# KiCad board pcb.kicad_pcb (continued)
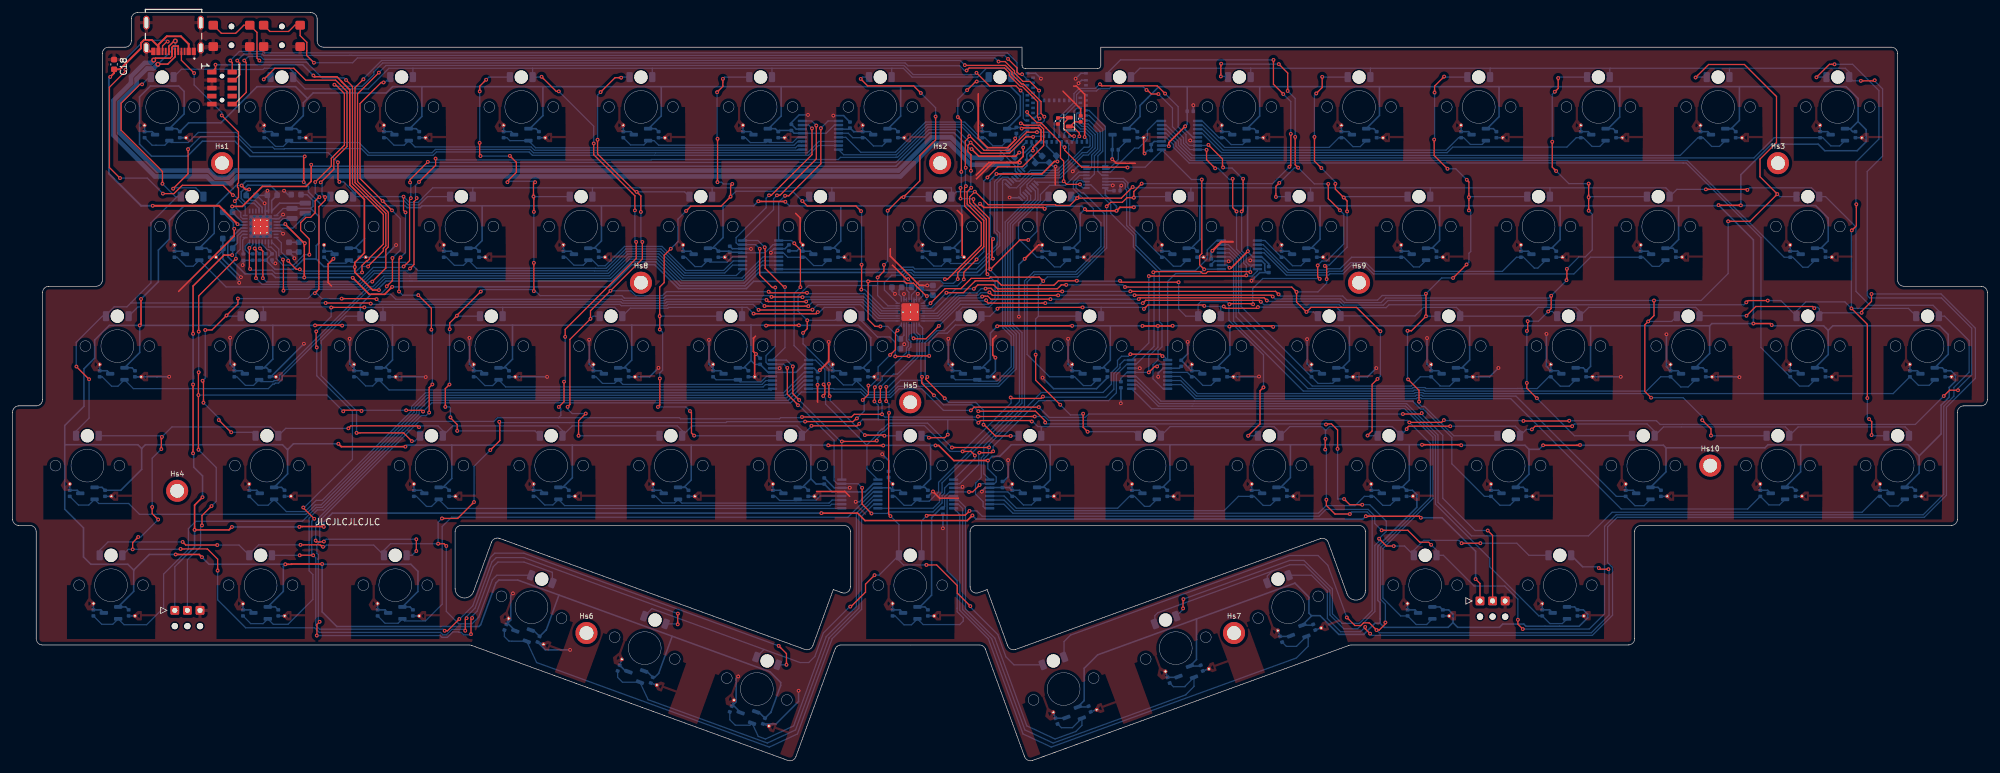
[diagram p0: board, top side]
## Routing (per net, layer and track width the routed paths; a pad name or vN(x,y) marks a point on that pad's centre or on a via; arc(x,y) is an arc through that point) (continued)
/CS13: length 165.3
  Top w0.2: v1(120.47,73.67) 120.48,73.66 125.37,73.66 v1(125.41,73.62) ; v1(82.75,79.08) v1(82.75,74.58) ; v1(74.15,106.32) 74.15,107.15 v1(75.18,108.18) ; v1(78.55,91.89) 78.55,92.05 79.97,93.47 79.97,95.05 v1(78.94,96.08) ; v1(70.58,52.37) 70.58,53.39 69.5,54.46 v1(69.5,54.53) ; v1(69.39,68.52) 69.39,69.53 v1(70.53,70.67) 70.53,70.72 v1(74.32,74.51) ; v1(82.95,91.89) 82.79,91.89 82.69,91.79 v1(82.69,89.62) 82.75,89.56 v1(82.75,87.18) ; v1(69.35,59.75) 68.69,59.09 v1(68.69,56.18) ; v1(74.14,98.14) 74.14,96.19 v1(74.28,96.04)
  Bottom w0.2: v1(120.47,73.67) 120.27,73.86 103.73,73.86 103.33,73.46 97.12,73.46 96.72,73.86 83.73,73.86 83.02,74.58 v1(82.75,74.58) 82.5,74.83 74.64,74.83 v1(74.32,74.51) ; LEDDR1.20 137.78,71.05 135.17,73.66 125.45,73.66 v1(125.41,73.62) ; v1(70.53,70.67) 70.6,70.6 D33.1 ; v1(82.75,79.08) v1(82.75,87.18) ; v1(75.18,108.18) 75.6,108.6 D4.1 ; v1(82.95,91.89) 82.79,92.05 78.71,92.05 v1(78.55,91.89) ; v1(74.14,98.14) 74.15,98.16 v1(74.15,106.32) ; D19.1 82.71,89.6 v1(82.69,89.62) ; v1(69.39,68.52) 69.36,68.49 69.36,59.75 v1(69.35,59.75) ; D48.1 82.93,52.37 v1(70.58,52.37) ; v1(68.69,56.18) 69.37,56.18 69.5,56.04 v1(69.5,54.53) ; v1(78.94,96.08) 78.91,96.04 v1(74.28,96.04)
/CS14: length 141.9
  Top w0.2: v1(99.97,82.4) 99.97,79.7 v1(94.91,74.64) 91.74,71.47 v1(91.74,70.18) 88.47,66.91 88.47,56.55 v1(88.11,56.19) ; v1(120.02,74.49) 120.19,74.32 v1(126.11,74.32) ; v1(89.85,51.6) 89.85,53.99 v1(90.99,55.13) ; v1(96.6,108.5) 95.63,108.5 v1(93.34,106.21) ; v1(92.86,98.65) 92.86,96.39 98.89,90.36 v1(99.08,90.36) 99.74,89.69 v1(99.74,87.17)
  Bottom w0.2: v1(90.99,55.13) 88.83,55.13 88.11,55.85 v1(88.11,56.19) ; v1(126.11,74.32) 126.25,74.18 135.24,74.18 137.97,71.45 LEDDR1.21 ; D20.1 106.69,90.36 v1(99.08,90.36) ; v1(93.34,106.21) 92.86,105.73 v1(92.86,98.65) ; v1(120.02,74.49) 103.79,74.49 103.17,73.86 98.9,73.86 98.13,74.64 v1(94.91,74.64) ; D5.1 96.7,108.6 v1(96.6,108.5) ; v1(99.74,87.17) 99.74,82.63 v1(99.97,82.4) ; D34.1 92.16,70.6 v1(91.74,70.18) ; D49.1 v1(89.85,51.6)
/CS15: length 143
  Top w0.2: v1(134.78,78.79) 134.78,74.87 v1(134.73,74.83) ; v1(107.53,55.53) 107.77,55.28 107.77,52.04 v1(108.19,51.62) ; v1(114.25,91.62) 113.98,91.35 v1(113.98,89.6) 112.47,88.09 107.68,88.09 v1(106.92,87.32) ; v1(111.91,98.8) 111.91,92.54 111.9,92.53 v1(111.9,91.89) ; v1(102.75,60.7) 102.75,56.48 v1(102.44,56.18) ; v1(112.76,108.32) 112.76,107.12 v1(111.83,106.19) ; v1(104.49,81.32) 103.44,80.27 103.44,75.94 102.72,75.22 v1(102.72,70.61) 102.74,70.6 v1(102.74,68.48) ; v1(134.69,87.3) 133.86,88.13 126.14,88.13 v1(125.36,88.91)
  Bottom w0.2: D35.1 102.74,70.6 v1(102.72,70.61) ; v1(102.75,60.7) 102.74,60.71 102.74,61.57 103.19,62.02 103.19,68.03 v1(102.74,68.48) ; LEDDR1.22 138.25,71.85 135.27,74.83 v1(134.73,74.83) ; D50.1 108.21,51.6 v1(108.19,51.62) ; v1(134.78,78.79) 134.78,87.21 v1(134.69,87.3) ; v1(104.49,81.32) 105.63,82.45 105.63,86.03 v1(106.92,87.32) ; v1(113.98,89.6) 114.84,90.46 123.81,90.46 v1(125.36,88.91) 125.76,88.91 D21.1 ; v1(107.53,55.53) 106.88,56.18 v1(102.44,56.18) ; v1(114.25,91.62) 112.81,91.62 112.54,91.89 v1(111.9,91.89) ; D6.1 113.04,108.6 v1(112.76,108.32) ; v1(111.83,106.19) 111.83,98.88 v1(111.91,98.8)
/CS16: length 108.2
  Top w0.2: v1(137.32,76.75) 138.33,77.76 v1(138.33,78.76) ; v1(138.4,51.6) 138.3,51.7 v1(135.29,51.7) ; v1(144.18,106.07) 143.05,107.19 135.75,107.19 v1(134.64,108.31) ; v1(146.53,102.34) 146.53,98.62 144.03,96.12 144.03,92.12 v1(141.44,89.53) 141.08,89.53 v1(138.91,87.36) ; v1(129.71,57.9) 129.59,58.02 v1(129.59,59.85) ; v1(126.15,69.95) 126.15,68.61 v1(125.48,67.94)
  Bottom w0.2: v1(146.53,102.34) 146.53,103.72 v1(144.18,106.07) ; 137.32,75.47 v1(137.32,76.75) ; 137.32,75.47 137.31,75.48 126.35,75.48 124.69,73.82 124.69,71.41 v1(126.15,69.95) 130.55,69.95 D36.1 ; 137.32,75.47 137.32,73.88 138.95,72.25 LEDDR1.23 ; D51.1 v1(138.4,51.6) ; v1(135.29,51.7) 129.79,57.2 129.79,57.82 v1(129.71,57.9) ; v1(141.44,89.53) 141.51,89.6 D22.1 ; v1(129.59,59.85) 129.59,62.11 125.48,66.22 v1(125.48,67.94) ; v1(138.33,78.76) 138.91,79.34 v1(138.91,87.36) ; D7.1 134.93,108.6 v1(134.64,108.31)
/CS17: length 121.4
  Top w0.2: v1(152.53,89.21) 152.53,88.66 155.03,86.16 155.03,78.24 v1(155.23,78.04) ; v1(155.23,78.04) 155.1,78.04 155.03,77.97 ; v1(155.23,78.04) 159.9,82.71 v1(161.24,82.71) ; v1(153.06,107.9) 152.9,107.9 v1(151.52,106.52) ; v1(150.48,89.29) 150.48,89.29 v1(150.48,90.99) ; v1(158.45,51.57) 156.01,51.57 154.22,53.36 v1(154.13,53.36) ; v1(150.05,102.25) 150.61,101.69 v1(150.61,93.53) ; v1(147.98,57.55) 144.97,60.56 144.97,60.7 v1(145.22,60.94)
  Bottom w0.2: v1(151.52,106.52) 150.05,105.05 v1(150.05,102.25) ; v1(152.53,89.21) 152.46,89.28 150.49,89.28 v1(150.48,89.29) ; LEDDR1.24 138.4,74.76 138.4,75.95 139.57,77.12 141.32,77.12 141.74,77.54 142.6,77.54 143.02,77.12 153.58,77.12 154.5,78.04 v1(155.23,78.04) 155.23,77.9 156.45,76.68 156.45,73.44 155.03,72.02 150.82,72.02 150.2,71.4 D37.1 147.9,68.3 146.76,68.3 144.87,66.41 144.87,66.31 144.87,61.29 v1(145.22,60.94) ; D23.1 162.63,87.77 162.63,84.09 v1(161.24,82.71) ; v1(150.61,93.53) 150.61,91.11 v1(150.48,90.99) ; v1(153.06,107.9) 154.25,107.9 D8.1 ; v1(158.45,51.57) 159.67,51.57 D52.1 ; v1(147.98,57.55) 148.62,56.91 152.89,56.91 154.13,55.67 v1(154.13,53.36)
/GPIO_X: length 163
  Top w0.2: v1(51.08,107.39) 51.27,107.39 52.67,105.99 52.67,97.77 50.59,95.69 50.59,94.47 v1(48.04,91.92) ; v1(48.71,89.52) 48.63,89.52 48.03,88.92 48.03,87.03 47.3,86.3 46.57,86.3 45.72,85.45 45.72,84.22 47.11,82.84 v1(47.11,80.37) ; v1(163.04,102) 162.95,102 162.71,102.24 162.71,104.69 160.29,107.11 159.99,107.11 158.25,108.85 158.25,109.25 157.45,110.05 151.85,110.05 v1(151.45,109.65)
  Bottom w0.2: v1(48.71,89.52) 48.04,90.19 v1(48.04,91.92) ; v1(151.45,109.65) 151.1,109.65 150.35,110.4 142.13,110.4 141.69,110.84 58.75,110.84 57.36,109.44 57.36,109 55.5,107.15 51.32,107.15 v1(51.08,107.39) ; v1(47.11,80.37) 46.25,80.37 44.59,78.71 42.91,78.71 41.86,79.76 41.86,80.75 41.04,81.58 40.62,81.58 PMIC1.10 ; v1(163.04,102) 163.04,101.83 162.5,101.3 MDBT1.38
/INT: length 169.2
  Top w0.2: 43.7,79.37 43.71,79.37 ; 43.7,79.37 43.71,79.36 ; 43.7,79.37 45.03,78.05 v1(45.6,78.05) ; 43.7,79.37 43.71,79.37 ; 43.71,79.37 v1(43.75,79.41) 43.71,79.37 ; v1(163.79,102.3) 163.25,102.84 163.25,104.72 160.46,107.51 160.15,107.51 158.65,109.01 158.65,109.41 157.62,110.45 151.22,110.45 v1(151.17,110.5) ; v1(55.69,108.25) 54.35,106.91 54.35,91.82 59.25,86.93 59.25,81.78 58.85,81.38 58.85,80.98 56.43,78.56 v1(56.43,78.5)
  Bottom w0.2: v1(45.6,78.05) 45.88,77.77 54.59,77.77 55.32,78.5 v1(56.43,78.5) ; v1(43.75,79.41) 43.75,79.68 42.66,80.77 42.66,82.26 PMIC1.8 ; v1(151.17,110.5) 150.43,111.24 58.59,111.24 55.69,108.34 v1(55.69,108.25) ; MDBT1.36 162.61,100.5 163.79,101.68 v1(163.79,102.3)
/LED_DR_EN: length 46.6
  Top w0.2: v1(151,76.46) 151,77.58 153.03,79.61 v1(153.03,79.62) ; v1(160.05,101.25) 160.25,101.25 160.55,100.95 163.07,100.95 163.68,100.34 163.68,97.71 160.31,94.35 156.45,94.35 v1(154.75,92.65)
  Bottom w0.2: LEDDR1.32 144.49,73.83 144.49,74.97 C33.1 144.74,74.72 146.71,74.72 147.39,75.41 149.95,75.41 v1(151,76.46) ; v1(154.75,92.65) 154.19,92.08 154.19,80.86 153.03,79.71 v1(153.03,79.62) ; MDBT1.37 160.6,100.9 160.25,101.25 v1(160.05,101.25)
/LOADSW_CTRL: length 170.6
  Top w0.2: v1(57.1,76.09) 59.25,78.24 59.25,81.21 59.65,81.61 59.65,87.1 54.76,91.99 54.76,105.92 v1(58.14,109.3) ; v1(42.92,79.6) 42.99,79.52 v1(42.99,74.65) ; v1(160.02,106.46) 159.29,107.19 155.1,107.19 v1(153.02,109.28)
  Bottom w0.2: PMIC1.9 42.26,81.26 42.26,80.26 v1(42.92,79.6) ; v1(42.99,74.65) 43.19,74.85 55.45,74.85 56.7,76.09 v1(57.1,76.09) ; v1(160.02,106.46) 160.45,106.03 160.45,102.02 160.77,101.7 MDBT1.39 ; v1(153.02,109.28) 152.74,109 142.97,109 141.53,110.44 59.27,110.44 v1(58.14,109.3)
/MUX_B_1: length 34.6
  Bottom w0.2: MUXB1.8 131.93,96.25 140.32,96.25 145.12,101.06 150.9,101.06 155.01,96.94 156.71,96.94 159.16,94.49 159.16,93.66 MUXA1.14 159.65,93.17
/MUX_B_2: length 50
  Bottom w0.2: MUXA1.11 158.59,92.11 158.01,92.69 157.16,92.69 156.28,91.81 156.28,84.21 156.71,83.78 156.71,81.81 153,78.11 143.24,78.11 142.96,78.39 141.38,78.39 141.07,78.07 MUXB2.8
/MUX_B_3: length 65.5
  Bottom w0.2: MUXA1.5 161.61,89.8 161.61,89.04 157.98,85.41 157.98,69.1 157.98,69.1 159.33,67.75 159.33,62.21 156.57,59.46 140.57,59.46 139.21,58.1 135.63,58.1 134.72,59.01 130.41,59.01 130.32,59.1 128.98,59.1 128.96,59.07 MUXB3.8
/MUX_B_4: length 68.5
  Bottom w0.2: MUXB4.8 146.13,40.07 147.15,41.08 147.15,42.22 147.55,42.62 147.55,44.1 160.24,56.79 160.24,67.98 158.78,69.44 158.78,85.08 162.77,89.07 162.77,90.78 162.15,91.4 MUXA1.2
/MUX_B_5: length 13.1
  Bottom w0.2: MUXB5.8 181.65,101.62 180.15,100.12 180.15,98.72 178.74,97.31 178.1,97.31 174.28,93.49 MUXA2.11
/MUX_B_6: length 31.8
  Bottom w0.2: MUXB6.8 191.15,82.62 189.65,81.12 189.65,79.72 187.8,77.87 182.3,77.87 178.32,81.85 178.32,83.52 176.85,85 176.85,90.65 176.65,90.85 176.65,91.62 176.29,91.99 MUXA2.14
/MUX_B_7: length 39.8
  Bottom w0.2: MUXB7.8 182.63,59.07 181.04,60.66 181.04,62.87 181.84,63.67 181.84,65.1 182.47,65.73 182.47,69.31 182.05,69.73 182.05,77.49 177.92,81.61 177.92,83.36 174.33,86.95 174.33,88.31 171.16,91.49 MUXA2.2
/MUX_B_8: length 69.7
  Bottom w0.2: MUXA2.5 169.4,92.99 168.4,91.98 168.4,90.86 171.58,87.68 171.58,86.64 172.78,85.45 172.78,81.66 168.76,77.65 162.09,77.65 160.64,76.19 160.64,56.41 154.18,49.95 154.18,48.49 153.78,48.09 153.78,44.96 152.86,44.04 152.86,42.33 154.07,41.11 154.07,40.37 154.38,40.07 MUXB8.8
/MUXA_SEL: length 22.9
  Top w0.2: v1(169.44,91.55) 167.34,91.55 v1(166.85,92.04) 166.85,95.25 166.35,95.75 166.35,98.21 164.12,100.45 164.12,100.47 163.24,101.35 162.62,101.35 161.05,102.91 v1(161.05,103.05)
  Bottom w0.2: v1(166.85,92.04) 166.7,91.89 162.63,91.89 MUXA1.1 ; v1(161.05,103.05) 161.1,103 MDBT1.41 ; v1(169.44,91.55) 169.44,91.45 169.91,90.99 MUXA2.1
/MUXB_SEL_0: length 201.4
  Top w0.2: v1(182.54,64.26) 182.24,64.56 v1(177.44,64.56) ; v1(167,97.45) 167,97 169.71,94.29 176.94,94.29 v1(177,94.22) ; v1(188.78,92.32) 188.78,80.55 188.45,80.21 188.45,78.76 v1(189.16,78.04) ; v1(128.75,59.75) 128.95,59.55 128.95,58.17 v1(128.69,57.92) ; v1(125.06,75.21) 125.06,81.15 124.09,82.12 v1(124.09,82.19) ; v1(149.13,49.73) 154.98,49.73 v1(155.01,49.76) ; v1(128.31,100.48) 128.31,94.81 123.23,89.74 v1(122.63,89.74)
  Bottom w0.2: MUXB1.1 129.45,101.62 v1(128.31,100.48) ; v1(177.44,64.56) 177.12,64.24 176.06,64.24 175.4,63.58 175.4,62.6 174.43,61.63 174.43,59.79 173.11,58.48 163.3,58.48 155.01,50.19 v1(155.01,49.76) 154.91,49.66 154.91,48.66 154.18,47.92 154.18,45.55 MUXB8.1 ; v1(188.78,92.32) 187.14,92.32 MUXB5.1 182.39,96.86 179.81,94.29 177.06,94.29 v1(177,94.22) ; v1(124.09,82.19) 123.66,82.62 MUXB2.1 121.61,88.72 v1(122.63,89.74) ; v1(128.69,57.92) 129.06,57.55 129.06,56.63 134.64,51.05 135.63,50.06 ; v1(125.06,75.21) 124.06,74.2 124.06,65.92 MUXB3.1 127.46,63.62 128.95,62.13 128.95,59.96 v1(128.75,59.75) ; MDBT1.22 166.55,97.8 166.9,97.45 v1(167,97.45) ; MUXB6.1 189.19,78.07 v1(189.16,78.04) 188.49,77.37 184.62,77.37 183.36,76.11 MUXB7.1 182.73,64.26 v1(182.54,64.26) ; v1(149.13,49.73) 145.26,53.6 139.07,53.6 138.12,52.65 137.97,52.65 137.35,52.03 137.35,51.88 135.63,50.16 135.63,50.06 ; MUXB4.1 135.63,46.36 135.63,50.06
/MUXB_SEL_1: length 231.2
  Top w0.2: v1(189.54,97.04) 189.54,95.47 v1(190.91,94.1) ; v1(122.61,75.23) 122.45,75.23 119.47,78.21 119.47,81.47 v1(119.39,81.55) ; v1(124.87,57.27) 123.86,58.29 v1(123.86,62.62) ; v1(127.59,100.9) 127.59,95.6 121.8,89.81 v1(121.34,89.81) ; v1(180,106.54) 180.13,106.54 180.77,105.91 v1(181.9,105.91) ; v1(137.19,50.82) 137.19,50.8 137.08,50.69 v1(131.64,50.69) ; v1(180.38,76.97) 195.73,76.97 v1(195.85,77.09) ; v1(158.44,57.68) 158.59,57.53 163.26,57.53 v1(163.56,57.83) ; v1(152.76,48.45) 152.76,48.5 152.15,49.11 v1(150.81,49.11) ; v1(193.69,92.44) 193.69,87.85 v1(194.3,87.24)
  Bottom w0.2: v1(119.39,81.55) 118.32,82.62 MUXB2.16 120.8,87.53 120.8,89.27 v1(121.34,89.81) ; v1(189.54,97.04) 189.5,97.07 MUXB5.16 186.91,97.07 185.88,98.1 185.88,98.96 184.13,100.71 184.13,103.68 v1(181.9,105.91) ; v1(193.69,92.44) 193.57,92.32 193.16,92.32 191.38,94.1 v1(190.91,94.1) ; MUXB1.16 126.86,101.62 v1(127.59,100.9) ; v1(180,106.54) 179.5,107.05 174.42,107.05 174.12,106.75 172.42,106.75 172.06,106.39 169.5,106.39 168.9,105.8 168.9,104.32 166.15,101.58 MDBT1.23 ; v1(180.38,76.97) 180.38,66.36 MUXB7.16 176.49,63.62 175.8,62.94 175.8,62.44 174.82,61.46 174.82,58.99 173.55,57.72 163.67,57.72 v1(163.56,57.83) ; MUXB4.16 v1(131.64,50.69) 131.64,50.63 131.58,50.57 131.57,50.57 v1(124.87,57.27) ; v1(194.3,87.24) 194.3,81.24 195.43,80.11 195.43,79.04 195.85,78.62 v1(195.85,77.09) 195.98,76.96 196.78,76.96 197.61,77.79 MUXB6.16 ; v1(152.76,48.45) 152.76,47.99 MUXB8.16 ; v1(123.86,62.62) 122.86,63.62 MUXB3.16 122.61,65.59 v1(122.61,75.23) ; v1(137.19,50.82) 137.19,51.11 137.75,51.67 137.75,51.86 138.13,52.25 138.33,52.25 139.28,53.2 144.76,53.2 148.85,49.11 v1(150.81,49.11) 158.51,56.81 158.51,57.61 v1(158.44,57.68)
/MUXB_SEL_2: length 233.8
  Top w0.2: v1(195.34,92.44) 195.34,87.47 v1(195.11,87.24) ; v1(122.98,62.39) 122.98,58.21 124.68,56.51 v1(124.68,56.44) ; v1(134.86,43.33) 134.86,40.74 v1(136.35,39.25) ; v1(189.83,97.83) 192.07,95.59 192.07,94.32 v1(192.16,94.24) ; v1(181.08,77.58) 181.19,77.69 188.6,77.69 188.9,77.39 189.43,77.39 189.73,77.69 196.41,77.69 v1(196.5,77.6) ; v1(120.08,89.81) 120.44,89.81 126.9,96.27 v1(126.9,100.46) ; v1(118.61,81.32) 118.61,77.15 120.61,75.16 v1(121.08,75.16) ; v1(182.96,105.97) 181.73,107.19 172.88,107.19 v1(172.62,107.46) ; v1(155.66,49.13) 155.44,48.91 v1(153.47,48.91)
  Bottom w0.2: v1(118.61,81.32) 117.95,81.97 MUXB2.15 115.15,81.97 114.85,82.27 114.85,83.07 119.62,87.85 119.62,89.35 v1(120.08,89.81) ; v1(153.47,48.91) 153.38,48.82 153.38,47.01 150.34,43.97 MUXB8.15 148.65,43.97 147.95,43.27 147.95,42.46 147.55,42.05 147.55,40.92 146.12,39.49 139.09,39.49 138.85,39.25 v1(136.35,39.25) ; v1(196.5,77.6) 196.5,78.35 196.88,78.72 ; MUXB1.15 126.39,100.97 v1(126.9,100.46) ; v1(124.68,56.44) 124.83,56.44 130.41,50.87 130.41,44.46 130.9,43.97 MUXB4.15 134.22,43.97 v1(134.86,43.33) ; MUXB6.15 196.88,78.72 ; 196.88,78.72 196.32,78.72 195.83,79.21 195.83,80.27 195.11,80.99 v1(195.11,87.24) ; 172.58,107.5 v1(172.62,107.46) 172.56,107.46 171.9,106.79 169.33,106.79 168.5,105.96 168.5,104.54 165.35,101.39 MDBT1.25 ; v1(192.16,94.24) 192.25,94.15 193.58,94.15 195.22,92.51 195.22,92.32 v1(195.34,92.44) ; v1(121.08,75.16) 121.08,65.8 119.6,64.32 119.6,63.27 119.9,62.97 MUXB3.15 122.39,62.97 v1(122.98,62.39) ; v1(182.96,105.97) 185.03,103.9 185.03,100.68 186.28,99.43 186.28,98.27 186.83,97.72 MUXB5.15 189.72,97.72 v1(189.83,97.83) ; v1(181.08,77.58) 181.2,77.46 181.2,65.8 178.37,62.97 MUXB7.15 176.9,62.97 175.23,61.3 175.23,58.42 173.98,57.18 162.92,57.18 155.66,49.92 v1(155.66,49.13)
/NRESET: length 156.2
  Top w0.2: v1(156.52,111.07) 157.56,111.07 159.05,109.58 159.05,109.24 160.38,107.91 161.49,107.91 v1(162.95,106.45) ; SW1.2 40.85,115.84 43.81,115.84 44.81,116.85 SW1.2 45.65,115.18 46.7,114.13 46.7,112.76 46.68,112.74 46.68,112.04 v1(47.84,110.88) ; JTAG1.10 35.23,104.31 37.09,106.17 37.09,110.92 v1(36.78,111.22)
  Bottom w0.2: MDBT1.40 162.3,102.1 162.39,102.18 162.39,102.26 162.77,102.65 162.85,102.65 162.95,102.74 v1(162.95,106.45) ; v1(36.78,111.22) 37.44,111.87 39.38,111.87 39.83,111.43 47.29,111.43 v1(47.84,110.88) 53.98,110.88 54.74,111.64 155.95,111.64 v1(156.52,111.07)
/SCL: length 193.1
  Top w0.2: v1(151.34,91.27) 151.13,91.06 151.13,88.09 153.78,85.45 153.78,81.82 148.43,76.48 v1(148.01,76.48) ; v1(151.31,94.18) 151.24,94.25 151.24,98.44 151.87,99.07 v1(151.87,99.21) 151.98,99.21 154.23,96.96 154.6,96.96 154.6,96.96 158.13,96.96 161.01,99.85 v1(162.62,99.85) ; v1(38.63,76.64) 38.63,81.24 38.51,81.36 v1(38.42,81.36) ; v1(64.51,91.93) 67.15,94.57 v1(67.15,95.64) ; v1(63.09,78.17) 63.73,78.81 63.73,88.81 64.15,89.23 v1(64.15,89.38)
  Bottom w0.2: v1(162.62,99.85) 164.4,99.85 164.55,99.7 MDBT1.27 ; v1(151.87,99.21) 151.87,99.52 150.73,100.66 145.28,100.66 140.48,95.85 140.24,95.85 140.23,95.84 131.42,95.84 131.08,95.5 101.42,95.5 101.36,95.44 67.36,95.44 v1(67.15,95.64) ; v1(64.15,89.38) 63.96,89.57 63.96,91.38 v1(64.51,91.93) ; PMIC1.14 38.62,81.56 v1(38.42,81.36) 38.42,81.28 R3.2 ; v1(148.01,76.48) 147.78,76.71 142.82,76.71 142.39,77.14 141.9,77.14 141.52,76.75 141.52,76.04 141.94,75.62 141.94,74.74 142.3,74.39 LEDDR1.28 ; v1(63.09,78.17) 62.73,77.81 57.28,77.81 55.12,75.65 39.63,75.65 v1(38.63,76.64) ; v1(151.31,94.18) 151.26,94.13 151.26,91.35 v1(151.34,91.27)
/SDA: length 187.1
  Top w0.2: v1(162,99.09) 160.86,99.09 158.28,96.52 153.76,96.52 v1(152.09,98.19) 151.64,97.74 151.64,96.76 152.14,96.26 v1(152.14,93.7) ; v1(39.72,76.64) 39.73,76.65 39.73,80.92 v1(39.27,81.38) ; v1(62.07,78.5) 62.09,78.5 63.02,79.43 63.02,89.16 v1(63.22,89.36) ; v1(65.91,95.12) 63.09,92.3 v1(63.09,91.86) ; v1(150.04,76.5) 150.04,77.52 154.18,81.66 154.18,85.77 151.53,88.42 151.53,90.35 v1(152.18,91.01)
  Bottom w0.2: v1(162,99.09) 162.1,99.2 MDBT1.29 ; v1(39.72,76.64) 40.32,76.05 54.95,76.05 57.25,78.35 61.92,78.35 v1(62.07,78.5) ; v1(152.18,91.01) 152.12,91.07 152.12,93.68 v1(152.14,93.7) ; LEDDR1.29 142.7,74 143.49,74.79 143.49,75.69 144.04,76.24 147.33,76.24 147.74,75.83 149.37,75.83 v1(150.04,76.5) ; v1(63.22,89.36) 63.22,91.73 v1(63.09,91.86) ; v1(65.91,95.12) 66,95.04 140.23,95.04 145.45,100.25 149.9,100.25 151.97,98.19 v1(152.09,98.19) ; PMIC1.13 39.12,81.53 v1(39.27,81.38) 39.34,81.38 R4.2
/SW0: length 917.3
  Top w0.2: v1(48.29,19.84) 48.31,19.86 48.31,21.6 v1(48.74,22.03) ; v1(239.84,53.95) 247.07,53.95 v1(247.11,53.99) ; v1(125.31,54.58) 133.18,54.58 133.61,55.01 v1(138.02,55.01) ; v1(98.79,87.42) 98.79,89.73 92.25,96.27 v1(92.25,98.05) ; v1(72.77,20.07) 72.77,22.46 v1(72.95,22.64) ; v1(293.41,108) 295.51,108 v1(295.61,108.1) ; v1(221.73,53.73) 226.86,53.73 v1(227.22,54.08) ; v1(86.71,106.33) 86.3,106.33 v1(83.98,108.65) ; v1(87.72,67.32) 87.72,68.5 98.99,79.77 v1(98.99,82.4) ; v1(253.34,30.39) 252,30.39 v1(251.81,30.58) ; v1(86.7,56.18) 87.54,57.01 v1(87.54,60.19) ; v1(211.8,22.73) 213.09,21.44 214.03,21.44 214.45,21.86 215.38,21.86 v1(216.53,20.72) 216.94,20.72 217.93,21.7 v1(217.93,21.93) ; v1(137.66,57.07) 137.76,57.17 v1(137.76,59.31) ; v1(306.57,57.91) 307.49,58.83 v1(308.83,58.83) ; v1(162.26,54.66) v1(153.25,54.66)
  Bottom w0.2: v1(251.81,30.58) 251.62,30.77 249.25,30.77 D70.2 249.25,30.77 ; D13.2 253.55,109.94 253.61,110 ; v1(86.7,56.18) 87.03,55.85 87.03,54.84 86.66,54.47 ; D11.2 215.55,109.97 215.58,110 ; 272.6,110 272.55,109.95 D14.2 ; 272.6,110 253.61,110 ; 272.6,110 290.95,110 291.55,109.4 D15.2 292.15,108 v1(293.41,108) ; v1(137.76,59.31) 139.85,61.39 140.47,61.39 143.56,64.49 143.56,66.7 143.67,66.81 143.67,67.35 143.1,67.92 LEDDR1.11 ; v1(211.8,22.73) 208.78,31.03 207.24,32.57 202.7,32.57 167.94,19.91 166.92,18.89 D66.2 ; D9.2 178.95,110 196.53,110 ; 196.53,110 215.58,110 ; 196.53,110 196.55,109.98 D10.2 ; 215.58,110 234.57,110 ; 253.61,110 234.57,110 ; v1(48.74,22.03) 48.53,22.24 48.53,32.7 48.31,32.92 48.31,34.29 48.76,34.74 48.76,37.79 48.94,37.96 48.94,38.31 64.51,53.88 76.4,53.88 76.99,54.47 86.66,54.47 ; v1(87.72,67.32) 87.72,60.37 v1(87.54,60.19) ; v1(153.25,54.66) 153.15,54.56 138.47,54.56 v1(138.02,55.01) 138.02,56.71 v1(137.66,57.07) ; 234.57,110 234.55,109.98 D12.2 ; v1(295.61,108.1) 295.61,107.97 296.86,106.72 296.86,96.04 294.42,93.6 294.42,73.89 294.81,73.5 306.21,73.5 311.01,68.7 311.01,61.31 308.83,59.13 v1(308.83,58.83) ; v1(306.57,57.91) 302.06,53.4 261.54,53.4 260.95,53.99 v1(247.11,53.99) ; v1(72.77,20.07) 72.66,19.96 71.61,19.96 71.22,20.35 70.88,20.35 70.8,20.43 69.89,20.43 69.02,19.56 68.16,19.56 67.87,19.84 v1(48.29,19.84) ; 86.66,54.47 105.86,54.47 106.04,54.29 121.74,54.29 121.92,54.47 125.2,54.47 v1(125.31,54.58) ; D8.2 158.55,109.4 157.95,110 154.6,110 153.2,108.6 142.8,108.6 141.4,110 139.6,110 ; v1(162.26,54.66) 163.83,54.66 164.45,54.04 221.42,54.04 v1(221.73,53.73) 225.08,50.38 225.08,41.78 217.15,33.85 217.15,25.61 217.93,24.83 v1(217.93,21.93) ; v1(83.98,108.65) 83.93,108.6 D4.2 82.55,110 ; 82.55,110 63.55,110 ; 82.55,110 101.55,110 ; D3.2 63.55,110 ; 63.55,110 59.74,110 56.5,106.76 56.5,106.72 46.42,106.72 D2.2 44.55,109.4 43.95,110 39.97,110 39.78,109.8 34.07,109.8 34.03,109.84 26.8,109.84 D1.2 ; v1(253.34,30.39) 253.44,30.29 253.44,23.1 250.62,20.28 216.97,20.28 v1(216.53,20.72) ; D7.2 139.55,109.95 139.6,110 ; v1(98.79,87.42) 98.79,82.6 v1(98.99,82.4) ; v1(86.71,106.33) 92.25,100.79 v1(92.25,98.05) ; v1(72.95,22.64) 72.95,22.92 73.74,23.72 76.32,30.79 77.05,31.52 81.19,31.52 85.66,29.89 85.69,29.86 D62.2 ; 101.55,110 120.55,110 ; 101.55,110 D5.2 ; 120.55,110 139.6,110 ; 120.55,110 D6.2 ; v1(227.22,54.08) 227.29,54.01 239.78,54.01 v1(239.84,53.95)
/SW1: length 686.7
  Top w0.2: v1(145.1,38.88) 145.21,38.99 151.25,38.99 v1(151.91,39.65) ; v1(27.85,97.15) 27.86,97.14 27.86,93.24 v1(25.48,90.86) ; v1(51.65,95.05) 51.65,92.3 51.87,92.07 v1(51.87,91.94) ; v1(64.09,33.28) v1(64.09,35.15) ; v1(61.59,79.95) 61.34,79.7 v1(61.34,74.52) ; v1(66.48,68.46) 66.48,71.86 v1(64.4,73.94) ; v1(168.99,89.35) 169.23,89.59 169.23,89.72 ; v1(168.99,89.35) 167.84,88.19 165.67,88.19 165.56,88.31 154.88,88.31 152.8,90.38 v1(152.76,90.38) 151.93,89.55 151.93,88.64 154.58,85.99 154.58,77.44 v1(154.75,77.27) ; v1(168.99,89.35) 176,89.35 177.78,91.13 v1(177.82,91.13) ; v1(275.4,90.67) 275.31,90.76 v1(268.81,90.76) ; v1(217.33,36.57) 221.5,36.57 223.4,34.67 224.79,34.67 v1(225.2,34.27) ; v1(66.64,59.76) 66.13,59.24 v1(66.13,55.28) ; v1(238.96,22.35) 238.96,21.66 v1(239.74,20.88) ; v1(143.02,67.08) 143.09,67.01 145,67.01 v1(147.04,69.05) ; v1(48.11,34.94) 48.11,34.8 48.19,34.73 49.36,34.73 v1(49.42,34.78) ; v1(62.37,87.1) 62.06,87.4 v1(62.06,89.6)
  Bottom w0.2: v1(48.11,34.94) 48.11,37.7 48.54,38.13 48.54,38.47 64.87,54.8 65.65,54.8 v1(66.13,55.28) ; 225.05,91 206,91 ; 225.05,91 244.05,91 ; 225.05,91 D26.2 ; 206,91 206.05,90.95 D25.2 ; 206,91 187.13,91 ; v1(143.02,67.08) 142.7,67.4 LEDDR1.12 ; 130,91 149.01,91 149.05,90.96 D22.2 149.84,90.38 v1(152.76,90.38) ; 130,91 111.03,91 ; 130,91 130.05,90.95 D21.2 ; 111.03,91 111.05,90.98 D20.2 ; 111.03,91 92.08,91 ; v1(225.2,34.27) 226.05,33.42 D69.2 227.13,32.6 232.01,27.72 236.88,27.72 238.96,25.64 v1(238.96,22.35) ; v1(64.4,73.94) 61.92,73.94 v1(61.34,74.52) ; D65.2 144.3,38.08 v1(145.1,38.88) ; v1(217.33,36.57) 216.24,37.66 216.24,38.84 215.19,39.89 208.48,39.89 207.4,38.81 153.92,38.81 153.08,39.65 v1(151.91,39.65) ; 92.08,91 92.05,90.97 D19.2 ; 92.08,91 73.07,91 ; v1(51.65,95.05) 50.11,96.59 38.16,96.59 35.6,99.15 29.85,99.15 v1(27.85,97.15) ; v1(62.37,87.1) 62.37,80.73 v1(61.59,79.95) ; 49.42,34.88 49.41,34.87 49.41,34.79 v1(49.42,34.78) 49.78,35.15 v1(64.09,35.15) ; v1(177.82,91.13) 177.77,91.08 177.77,91.01 177.78,91 187.13,91 ; v1(168.99,89.35) 168.74,89.6 D23.2 ; 73.07,91 73.05,90.98 D18.2 ; 73.07,91 66.69,91 64.37,88.68 62.98,88.68 v1(62.06,89.6) D17.2 54.05,90.45 52.56,91.94 v1(51.87,91.94) ; 187.13,91 187.05,90.92 D24.2 ; v1(268.81,90.76) 264.21,90.76 D28.2 263.05,90.4 262.45,91 244.05,91 ; 244.05,91 D27.2 ; D16.2 30.3,89.78 29.08,91 25.62,91 v1(25.48,90.86) ; v1(64.09,33.28) 63.41,32.6 D61.2 ; v1(154.75,77.27) 154.75,77.25 155.96,76.05 155.96,73.52 154.93,72.49 150.48,72.49 v1(147.04,69.05) ; v1(66.64,59.76) 66.64,68.3 v1(66.48,68.46) ; v1(275.4,90.67) 275.73,91 285.58,91 286.8,89.78 D29.2 287.81,89.6 292.63,84.77 292.63,74.54 294.85,72.33 304.87,72.33 305.8,71.4 D72.2 306.7,70.6 310.6,66.7 310.6,61.68 308.18,59.26 308.18,57.88 306.57,56.27 306.57,42.29 303.31,39.04 254.56,39.04 252.72,37.19 252.72,23.3 250.29,20.88 v1(239.74,20.88)
/SW2: length 646.2
  Top w0.2: v1(215.5,20.15) 214.72,20.92 v1(214.72,21.21) ; v1(189.18,72.24) 189.05,72.37 180.22,72.37 v1(179.6,71.75) ; v1(295.1,74.13) 295.1,72.95 293.47,71.31 293.47,71.2 v1(293.53,71.13) ; v1(121.62,18.21) 122.85,16.98 v1(122.85,15.2) ; v1(286.02,71.87) 285.75,72.14 276.72,72.14 v1(275.25,70.67) ; v1(192.26,72.15) 192.56,71.85 197.51,71.85 v1(197.7,72.04) ; v1(46.15,40.2) 46.15,40.14 v1(47.89,38.4) ; v1(145.51,64.29) 142.27,64.29 v1(142.27,64.27) 142.21,64.21 v1(140.12,64.21) ; v1(45.57,32.6) 45.58,32.61 47.71,32.61 v1(47.72,32.6) ; v1(156.34,71.79) 156.41,71.79 156.62,72 v1(169.87,72) ; v1(50.57,71.98) 50.59,72 v1(55.85,72) ; v1(68.59,20.61) 69.05,20.61 v1(70.92,22.48) 70.78,22.34 ; v1(127.83,71.25) 127.57,70.99 117.64,70.99 v1(117.62,71.01) ; v1(48.28,65.63) 48.18,65.74 48.18,68.15 v1(48.21,68.18)
  Bottom w0.2: v1(214.72,21.21) 213.97,20.45 210.81,20.45 208.72,22.55 208.72,26.92 206.21,29.42 D68.2 ; D31.2 39.8,72 39.73,72.07 ; v1(48.28,65.63) 48.28,61.13 53.95,55.47 53.95,47.85 46.3,40.2 v1(46.15,40.2) ; v1(145.51,64.29) 145.47,64.32 145.47,66.45 146.92,67.9 148.38,67.9 149.67,69.19 153.2,69.19 153.8,69.8 D37.2 155.15,70.6 v1(156.34,71.79) ; 84.7,31.65 v1(121.62,18.21) ; D39.2 191.8,72.07 191.72,72.15 ; v1(70.92,22.48) 70.97,22.48 73.05,24.56 75.85,32.24 76.54,32.93 81.16,32.93 84.78,31.62 ; 172.83,72 172.8,71.97 D38.2 ; 172.83,72 v1(169.87,72) ; 172.83,72 179.35,72 v1(179.6,71.75) ; v1(140.12,64.21) 140.12,66.45 139.27,67.3 137.3,67.3 134.8,69.8 D36.2 ; D32.2 58.8,71.97 58.77,72 ; LEDDR1.13 142.3,66.88 142.6,66.57 142.6,65.7 142.3,65.4 142.3,64.3 v1(142.27,64.27) ; 115.78,72 115.8,71.98 D35.2 ; 115.78,72 116.63,72 v1(117.62,71.01) ; 115.78,72 104.13,72 104,71.86 98.07,71.86 D34.2 96.8,70.78 95.58,72 77.77,72 ; v1(189.18,72.24) 189.27,72.15 191.72,72.15 ; v1(293.53,71.13) 287.34,71.13 D44.2 286.8,71.77 286.56,72.01 286.16,72.01 v1(286.02,71.87) ; 191.72,72.15 v1(192.26,72.15) ; 77.77,72 58.77,72 ; 77.77,72 77.8,71.97 D33.2 ; v1(127.83,71.25) 128.11,71.25 128.86,72 133.58,72 134.8,70.78 ; v1(295.1,74.13) 306.15,74.13 311.59,68.68 311.59,60.73 307,56.14 307,42.16 303.48,38.64 254.73,38.64 253.2,37.11 253.2,31.44 253.99,30.65 253.99,23.08 250.78,19.87 215.77,19.87 v1(215.5,20.15) ; v1(275.25,70.67) 267.87,70.67 D43.2 267.8,71.4 267.2,72 250.2,72 D42.2 248.8,71.4 248.2,72 242.18,72 240.78,70.6 D41.2 229.8,71.4 229.2,72 223.99,72 222.64,70.65 210.85,70.65 D40.2 210.8,71.4 210.18,72.02 198.46,72.02 198.44,72.04 v1(197.7,72.04) ; D64.2 122.85,15.19 v1(122.85,15.2) ; 58.77,72 v1(55.85,72) ; D60.2 v1(45.57,32.6) ; 39.73,72.07 19.89,72.07 D30.2 18.43,71.09 ; 39.73,72.07 50.48,72.07 v1(50.57,71.98) 50.57,70.54 v1(48.21,68.18) ; v1(47.89,38.4) 47.5,38.01 47.5,32.82 v1(47.72,32.6) 48.13,32.19 48.13,21.47 48.74,20.86 68.34,20.86 v1(68.59,20.61)
/SW3: length 546
  Top w0.2: v1(208.38,49.41) 208.38,51.07 v1(208.42,51.11) ; v1(241.19,52.61) 241.69,53.11 v1(247.58,53.11) ; v1(161.8,53.86) 161.66,54.01 153.65,54.01 v1(153.31,53.67) ; v1(134.41,53.49) 134.09,53.18 v1(126.8,53.18) ; v1(23.11,38.28) 22.16,39.23 v1(22.16,40.28) ; v1(19.06,33.55) 19.06,34.63 v1(19.94,35.51) ; v1(53.3,52.77) 53.69,53.17 64.31,53.17 v1(64.51,52.96) ; v1(136.88,59.31) 136.81,59.24 v1(136.81,57.06) ; v1(228.22,53.11) 221.61,53.11 221.31,52.81 v1(221.31,52.66) ; v1(145.47,51.29) 147.97,51.29 v1(148.46,51.78) ; v1(72.07,22.61) 71.86,22.4 v1(71.86,20.61) ; v1(32.55,30.16) 32.55,31.98 30.93,33.61 v1(26.66,33.61) ; v1(185.81,24.16) 185.81,25.58 v1(185.86,25.63) ; v1(23.7,51.41) 23.61,51.32 v1(23.61,49.48) ; v1(208.56,41.44) 208.56,40.53 209.93,39.16 v1(212.29,39.16) ; v1(105.59,21.63) 105.59,23.31 v1(105.61,23.33)
  Bottom w0.2: v1(145.47,51.29) 145.16,51.6 D51.2 ; v1(72.07,22.61) 72.07,22.86 73.42,24.22 76.09,31.54 76.78,32.23 81.15,32.23 v1(105.61,23.33) ; D67.2 185.81,24.02 v1(185.81,24.16) ; 137.42,54.15 134.9,54.15 134.41,53.66 v1(134.41,53.49) ; 137.42,54.15 137.42,56.45 v1(136.81,57.06) ; 137.42,54.15 148.46,54.15 ; v1(19.94,35.51) 20.34,35.51 v1(23.11,38.28) ; v1(105.59,21.63) 105.52,21.69 D63.2 ; D52.2 163.3,53.04 163.32,53.06 ; v1(247.58,53.11) 247.94,53.47 259.49,53.47 260.68,52.28 D57.2 262.08,53 281.45,53 282.05,52.4 D58.2 283.45,53 300.45,53 301.05,52.4 D71.2 ; D45.2 23.51,51.6 v1(23.7,51.41) 25.29,53 40.96,53 42.17,51.78 D46.2 43.35,52.77 v1(53.3,52.77) ; v1(241.19,52.61) 240.31,52.61 D56.2 239.3,52.39 238.58,53.11 v1(228.22,53.11) ; v1(22.16,40.28) 22.16,48.03 v1(23.61,49.48) ; v1(148.46,51.78) 148.46,54.15 ; 148.46,54.15 152.83,54.15 v1(153.31,53.67) ; v1(212.29,39.16) 212.62,39.49 215.03,39.49 215.83,38.68 215.83,23.8 213.81,21.78 211.04,21.78 209.52,23.3 209.52,27.25 204.99,31.78 202.74,31.78 v1(185.86,25.63) ; v1(71.86,20.61) 71.64,20.83 69.73,20.83 68.86,19.96 68.32,19.96 67.94,20.34 48.69,20.34 47.95,21.08 37,21.08 32.55,25.53 v1(32.55,30.16) ; v1(161.8,53.86) 161.94,53.86 162.75,53.06 163.32,53.06 ; 126.79,53.17 v1(126.8,53.18) 126.8,53.1 D50.2 125.3,52.4 124.53,53.17 107.87,53.17 D49.2 106.3,52.41 105.54,53.17 88.84,53.17 88.84,53.14 D48.2 87.3,52.4 86.53,53.17 69.87,53.17 D47.2 68.3,52.4 67.53,53.17 64.72,53.17 v1(64.51,52.96) ; v1(208.38,49.41) 208.56,49.23 v1(208.56,41.44) ; 163.32,53.06 181.34,53.06 182.3,52.1 D53.2 183.76,53.06 200.27,53.06 201.3,52.03 D54.2 202.76,53.06 207.84,53.06 208.42,52.48 v1(208.42,51.11) 208.42,52.4 209.08,53.06 219.02,53.06 220.3,51.78 D55.2 221.31,52.61 v1(221.31,52.66) ; v1(136.88,59.31) 138.05,60.48 138.05,60.97 141.9,64.82 141.9,65.57 142.2,65.87 142.2,66.41 141.9,66.71 LEDDR1.14 ; v1(26.66,33.61) 26.6,33.55 v1(19.06,33.55) 18.38,33.55 D59.2
/SWDCLK: length 132
  Top w0.2: v1(158.02,111.49) 159.45,110.06 159.45,109.4 159.81,109.05 v1(160.25,109.05) ; v1(35.67,111.22) 36.07,110.81 36.07,108.96 35.23,108.12 JTAG1.4
  Bottom w0.2: MDBT1.53 161.1,108.2 v1(160.25,109.05) ; v1(35.67,111.22) 36.73,112.27 39.61,112.27 39.85,112.04 53.51,112.04 53.52,112.05 53.86,112.05 53.87,112.04 157.47,112.04 v1(158.02,111.49)
/SWDIO: length 132.8
  Top w0.2: v1(34.56,111.22) 34.86,110.92 JTAG1.2
  Bottom w0.2: v1(34.56,111.22) 36.01,112.67 39.78,112.67 40,112.45 157.91,112.45 159.45,110.91 159.45,108.33 160.48,107.3 MDBT1.51
/USB_D+: length 172.1
  Top w0.25: Jusb1.B6 24.8,113.5 25.63,114.33 v2(25.83,114.33) ; Jusb1.A6 25.8,111.82 24.64,110.66 23.1,110.66 v2(23.07,110.63)
  Bottom w0.25: 25.82,114.33 v2(25.83,114.33) 25.83,113.39 v2(23.07,110.63)
  Bottom w0.73: R1.2 152.24,95.77 148.99,99.02 145.9,99.02 140.62,93.74 35.35,93.74 34.21,92.6 32.29,92.6 31.15,93.74 22.95,93.74 16.94,99.75 16.94,104.55 19.68,107.3 19.68,108.32 21.33,109.96 22.35,109.96 23.02,110.63 v2(23.07,110.63)
/USB_D-: length 170.7
  Top w0.25: Jusb1.B7 26.3,113.5 26.27,113.52 25.5,113.52 25.3,113.32 Jusb1.A7 25.3,111.89 25.01,111.6 22.69,111.6 v2(22.39,111.3)
  Bottom w0.73: R2.2 152.1,94.67 148.73,98.03 146.18,98.03 140.95,92.8 35.66,92.8 34.58,91.72 31.92,91.72 30.84,92.8 22.57,92.8 16.01,99.36 16.01,104.87 18.8,107.66 18.8,108.68 20.96,110.84 21.98,110.84 22.39,111.25 v2(22.39,111.3)
/VOUT2: length 20.8
  Bottom w0.25: PMIC1.28 39.12,87.75 38.34,88.53 37.06,88.53 36.29,89.3 36.29,90.37 37.34,91.42 40.88,91.42 41.99,90.31 C26.1 41.12,88.97 PMIC1.32 42.38,88.56 L2.1
/VSYS: length 155.7
  Top w0.2: v1(145.14,73.79) 145.06,73.79 143.8,75.06 143.78,75.06 143.49,75.36 143.49,75.37 143.02,75.84 141.9,75.84 141.6,76.14 v1(135.81,76.14) 135.81,70.09 136.92,68.98 v1(137.77,68.98)
  Top w0.25: v1(60.25,75.26) 59.07,74.07 56.62,74.07 v1(54,76.7) ; v1(46.3,76.75) 46.3,82.11 v1(46.39,82.2) 46.28,82.2 43.29,85.19 v1(43.29,85.25)
  Bottom w0.2: C35.1 145.28,73.93 v1(145.14,73.79) 145.14,73.3 LEDDR1.1 ; LEDDR1.15 141.5,67.56 C36.1 138.93,68.98 v1(137.77,68.98)
  Bottom w0.25: v1(46.39,82.2) 46.24,82.35 C11.1 45.42,82.34 C10.1 ; v1(54,76.7) 53.95,76.75 v1(46.3,76.75) 41.75,76.75 41.17,77.32 36.91,77.32 34.16,80.06 34.16,82.18 C12.1 ; v1(43.29,85.25) 43.14,85.1 PMIC1.4 ; v1(135.81,76.14) 117.63,76.14 116.48,74.99 105.72,74.99 101.92,78.78 98.32,78.78 94.79,75.26 v1(60.25,75.26) ; 34.92,83.07 34.92,83.27 36.25,84.6 PMIC1.20
Net-(BAT1-NTC): length 302.3
  Top w0.2: v1(55.39,55.53) 55.25,55.67 52.68,55.67 v1(52.49,55.48) ; 220.78,55.12 v1(220.71,55.05) 223.55,55.05 v1(223.7,55.2) ; v1(29.51,49.37) 29.5,49.38 v1(29.5,58.07) 29.5,61.65 v1(29.54,61.69) ; v1(152.12,55.63) 152.64,56.15 v1(162.91,56.15) ; v1(65.16,55.44) 64.95,55.65 v1(62.47,55.65) ; v1(29.54,68.15) 29.55,68.16 29.55,73.83 v1(35.45,79.73) ; BAT2.2 234.95,35.76 v1(234.17,36.54) ; v1(31.58,40.43) 30.06,38.91 v1(30.06,37.35)
  Bottom w0.2: v1(223.7,55.2) 223.7,55.02 227.04,51.68 227.04,41.67 232.17,36.54 v1(234.17,36.54) ; v1(35.45,79.73) 35.45,80.54 36.13,81.21 36.13,83.21 36.51,83.6 PMIC1.18 ; v1(220.71,55.05) 170.81,55.05 170.27,54.51 164.55,54.51 v1(162.91,56.15) ; v1(30.06,37.35) 29.84,37.12 29.84,33.98 27.75,31.89 BAT1.2 ; v1(65.16,55.44) 66.55,56.83 123.51,56.83 125.23,58.55 134.61,58.55 135.46,57.7 139.38,57.7 140.74,59.05 144.34,59.05 147.77,55.63 v1(152.12,55.63) ; v1(29.5,58.07) 49.9,58.07 v1(52.49,55.48) ; v1(29.54,68.15) v1(29.54,61.69) ; v1(55.39,55.53) 55.51,55.65 v1(62.47,55.65) ; v1(29.51,49.37) 32.33,46.55 32.33,41.18 v1(31.58,40.43)
Net-(Jusb1-CC1): length 31.6
  Top w0.2: v1(28.82,109.23) 26.8,111.25 Jusb1.A5 ; v1(33.2,102.51) 35.86,99.85 35.86,91.79 35.7,91.63 35.7,91.09 35.86,90.94 35.86,89.47 v1(35.27,88.88)
  Bottom w0.2: PMIC1.23 36.51,86.1 36.22,86.38 36.22,87.05 35.5,87.77 35.5,88.65 v1(35.27,88.88) ; v1(28.82,109.23) 28.82,107.35 33.2,102.98 v1(33.2,102.51)
Net-(Jusb1-CC2): length 55
  Top w0.2: v1(17.91,109.75) 17.91,109.52 15.37,106.99 15.37,94.22 v1(17.05,92.55) ; v1(23.86,90.08) 25.62,90.08 26.94,91.4 33.42,91.4 v1(34.98,89.84) ; Jusb1.B5 23.8,113.54 24.49,114.24 v1(24.62,114.24)
  Bottom w0.2: PMIC1.24 36.92,88.07 35.16,89.84 v1(34.98,89.84) ; v1(17.05,92.55) 21.39,92.55 v1(23.86,90.08) ; v1(17.91,109.75) 17.91,111.46 20.9,114.45 24.41,114.45 v1(24.62,114.24)
Net-(LEDDR1-VCAP): length 2.3
  Bottom w0.2: C34.2 140.73,74.78 140.73,74.04 141.1,73.67 LEDDR1.25
Net-(MDBT1-D+): length 4.8
  Bottom w0.2: MDBT1.35 160.79,100.1 159.81,99.11 159.81,98.59 158.16,96.94 R1.1
  Bottom w0.25: 161.13,100.06 160.97,100.06
Net-(MDBT1-D-): length 4.4
  Bottom w0.2: MDBT1.34 161,99.3 160.21,98.51 160.21,98.31 159.04,97.14 R2.1
Net-(MDBT1-P0.00/XL1): length 5.7
  Top w0.2: v1(169.35,99.18) 169.35,99.7 168.3,100.75 Y1.1 167.85,100.75 168.59,101.49 C2.1
  Bottom w0.2: MDBT1.17 168.95,98.78 v1(169.35,99.18)
Net-(MDBT1-P0.01/XL2): length 7.1
  Top w0.2: C4.1 166.05,102.11 166.09,102.15 Y1.2 166.9,101.29 166.9,100.4 168.09,99.21 v1(168.5,99.21)
  Bottom w0.2: v1(168.5,99.21) 168.45,99.16 168.45,98.6 MDBT1.18
Net-(PMIC1-SHPHLD): length 85.4
  Top w0.2: v1(52.94,108.12) 53.95,107.11 53.95,91.66 58.85,86.76 58.85,82.05 56.65,79.85 56.65,79.72 56.3,79.36 56.17,79.36 55.48,78.68 v1(55.48,77.55) ; v1(37.59,81.44) 37.59,78.21 v1(37.7,78.1) ; SW2.2 33.14,115.56 35.42,115.56 36.71,116.85 SW2.2 38.8,115.7 38.8,111.6 v1(39.18,111.22)
  Bottom w0.2: v1(52.94,108.12) 52.6,108.46 49.16,108.46 46.64,110.98 39.42,110.98 v1(39.18,111.22) ; v1(37.7,78.1) 37.89,77.91 41.19,77.91 41.7,77.4 45.68,77.4 45.71,77.37 55.22,77.37 55.41,77.55 v1(55.48,77.55) ; v1(37.59,81.44) 38.12,81.98 PMIC1.15
Net-(PMIC1-SW1): length 2.8
  Bottom w0.2: L1.2 42.9,86.12 42.38,85.6 PMIC1.3
Net-(PMIC1-SW2): length 5.8
  Bottom w0.2: L2.2 46.46,86.56 44.5,84.6 PMIC1.5
Net-(PMIC1-VBUS): length 60.8
  Top w0.3: Jusb1.A4 27.95,113.85 26.71,115.09 24.48,115.09 23.15,113.76 Jusb1.A9 23.15,113.45 22.1,114.5 21.7,114.5 21.64,114.44 21.58,114.5 20.88,114.5 20.38,114 20.38,113.17 17.04,109.83 C18.1 16.11,109.24 v1(15.5,108.63) ; v1(35.71,85.23) 32.79,88.15 v1(22.25,88.15)
  Bottom w0.3: v1(15.5,108.63) 15.29,108.42 15.29,93.26 20.4,88.15 v1(22.25,88.15) ; v1(35.71,85.23) 35.84,85.1 PMIC1.21
Net-(PMIC1-VSET1): length 2.8
  Bottom w0.2: R5.2 36.64,80.89 36.53,81 36.53,82.7 PMIC1.17
Net-(PMIC1-VSET2): length 3
  Bottom w0.2: PMIC1.16 36.93,81.7 36.93,81.17 37.59,80.51 R6.2

## Copper pours and planes (outline as drawn; the poured copper is in the pictures)
GND on Top: -10.9,121.25 317.64,118.83 319.23,-23.22 -10.15,-23.05

Small or netless copper shapes (teardrops, artwork), in the pictures only: 484 on Top, 1368 on Bottom

## Text on the board
User.Eco2: NOTE: Cavity in the housing should account for pcb depth (1.2mm) and heights of: / - USB connector GCT USB4215 (shorter) or USB4105 (3.2mm + .7mm gap above) / - JLink connector Semtec CLP-105-2 (2.35+.35mm) / - Tact switches (1.8+.6mm) / - Use 0.8mm pcb plate to cover the hole / - Bottom thickness is 5mm, use blind holes for keycap shaft
